# KiCad board 6502PC-6U.kicad_pcb (continued)
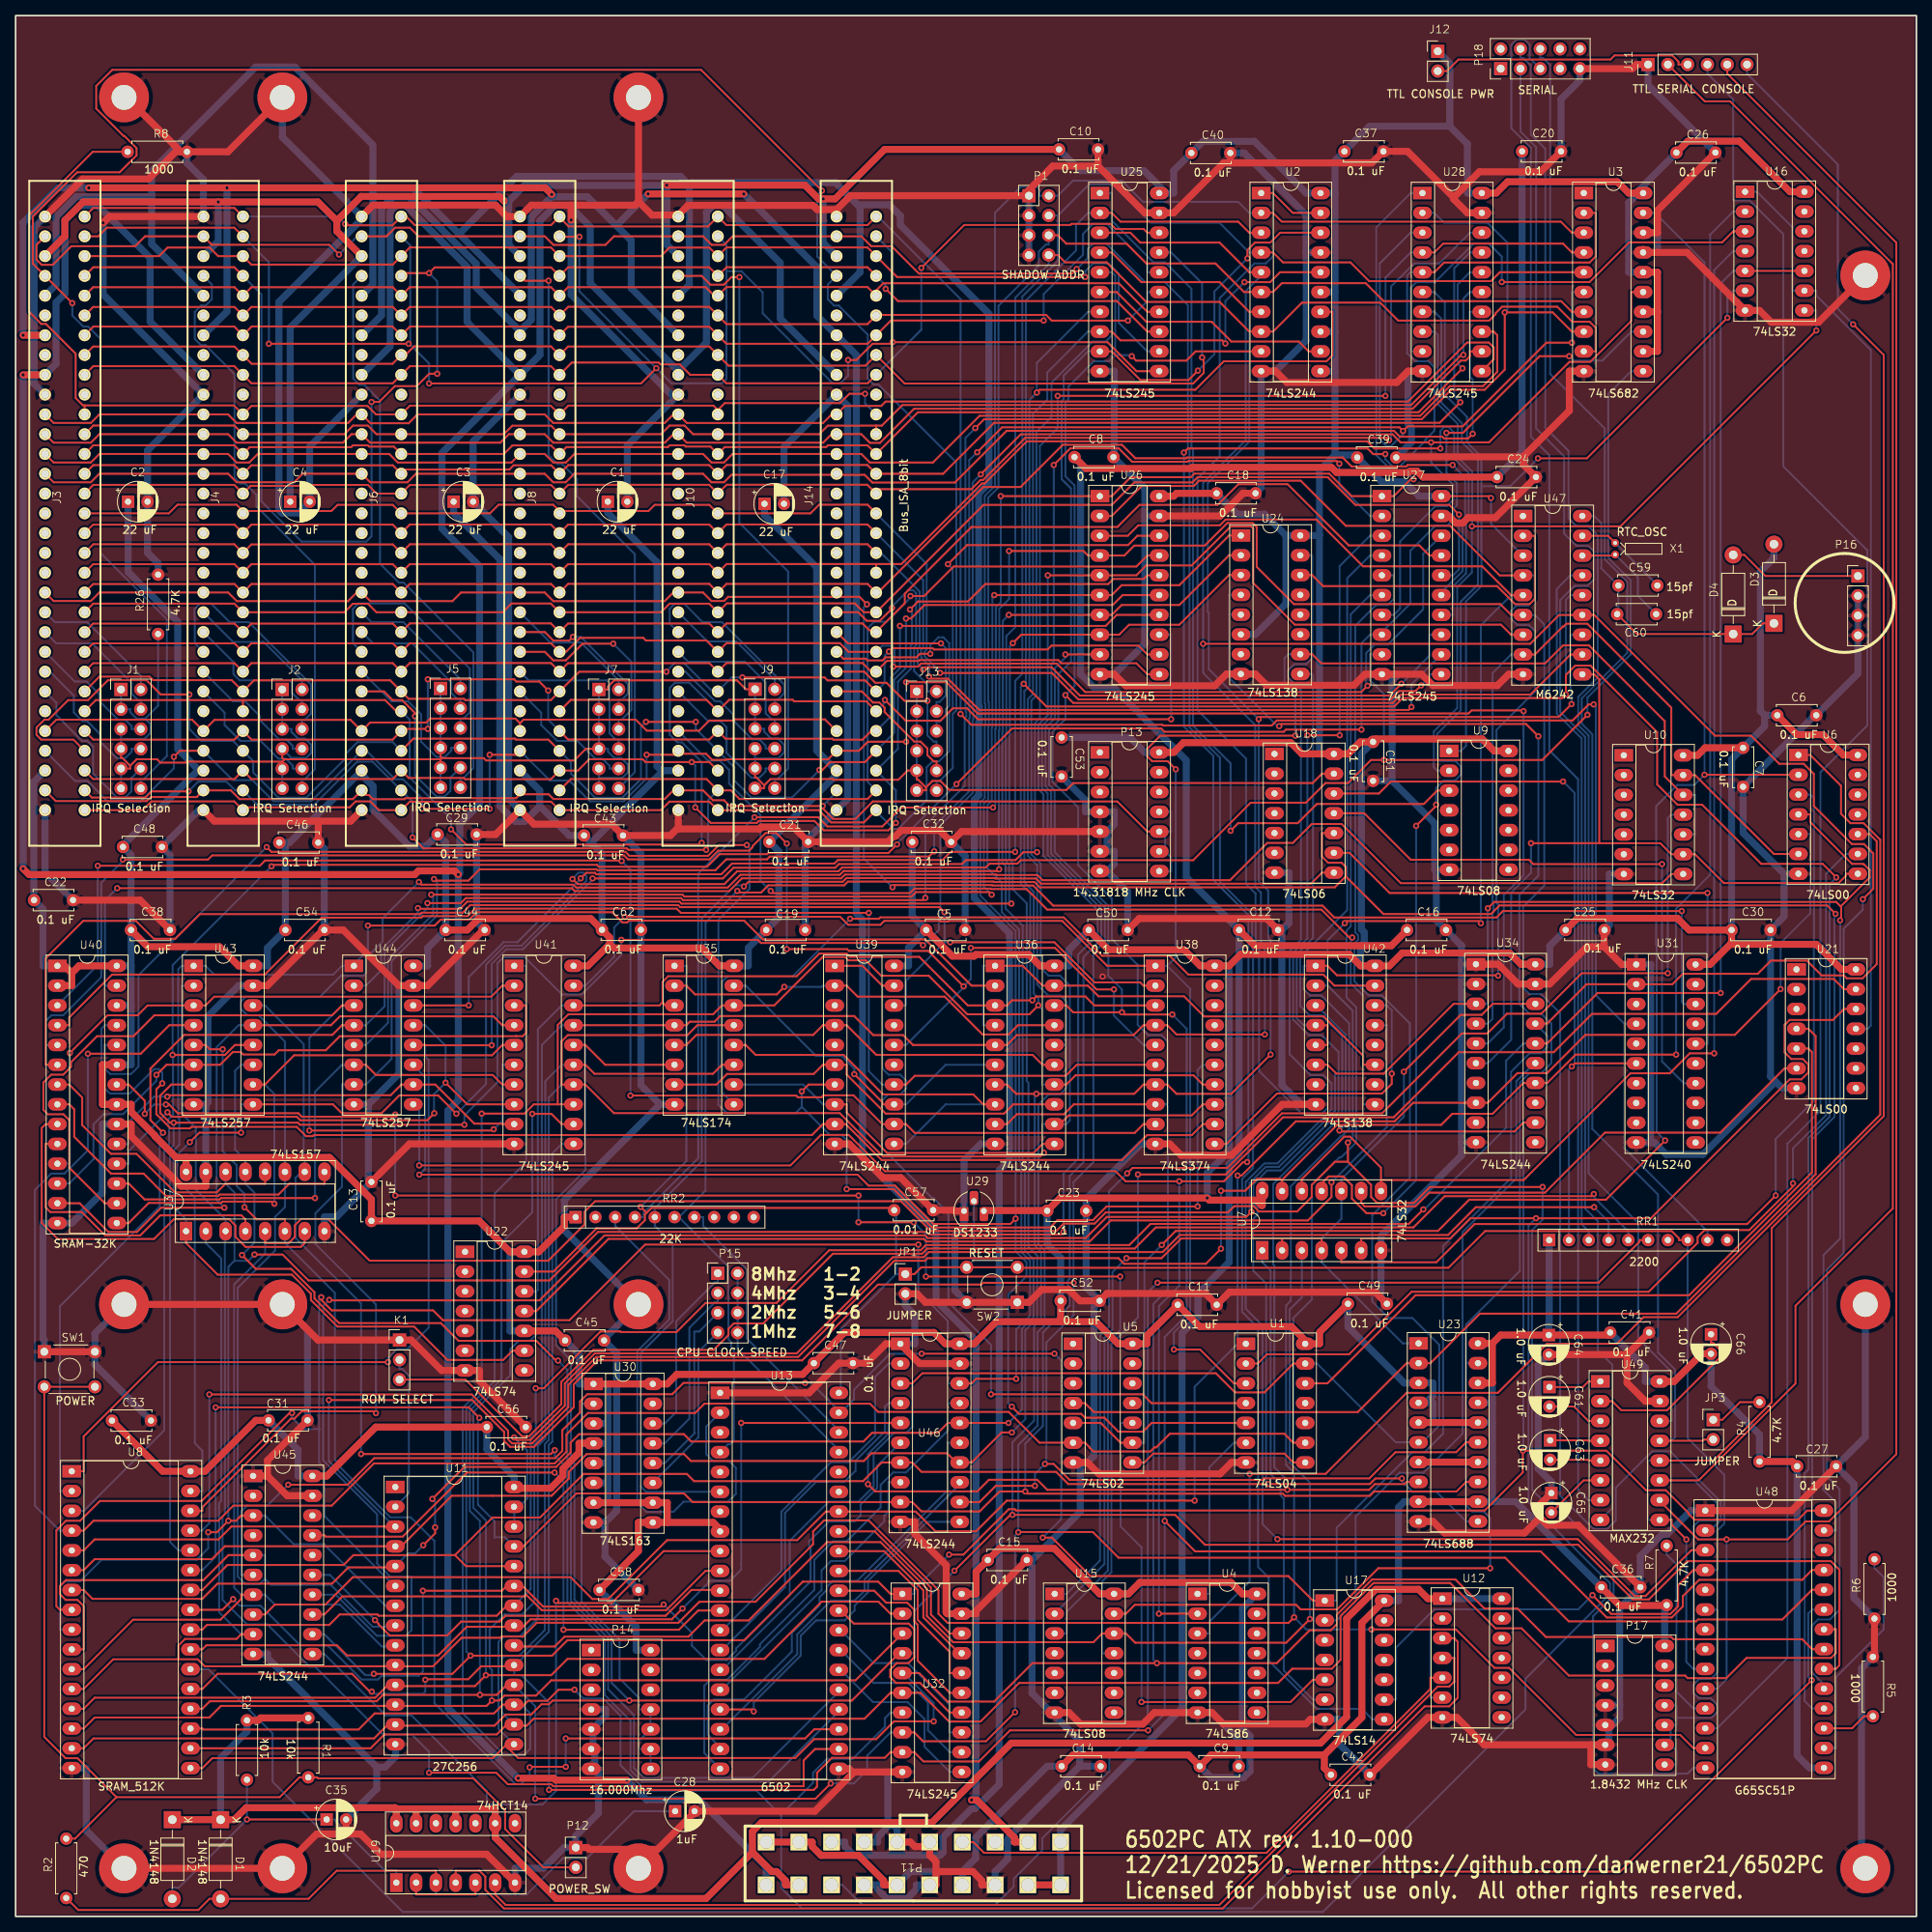
[diagram p0: board, top side]
## Routing (per net, layer and track width the routed paths; a pad name or vN(x,y) marks a point on that pad's centre or on a via; arc(x,y) is an arc through that point) (continued)
B_D2: length 155.2
  Top w0.25: J3.38 9.98,204.08 28.07,204.08 J4.38 30.31,204.09 48.38,204.09 J6.38 50.62,204.08 68.71,204.08 J8.38 70.91,204.05 89.06,204.05 J10.38 91.24,201.87 109.37,201.87 J14.38 112.35,204.85 v1(131.97,204.85)
  Bottom w0.25: U25.16 145.28,211.05 145.28,212.06 140.08,217.27 138.32,217.27 137.03,215.98 137.03,213.31 131.97,208.25 v1(131.97,204.85)
B_D3: length 145
  Top w0.25: J3.37 9.95,206.59 28.1,206.59 J4.37 30.27,206.59 48.42,206.59 J6.37 50.59,206.59 68.74,206.59 J8.37 70.94,206.62 89.03,206.62 J10.37 91.26,204.39 109.35,204.39 J14.37 110.54,205.58 132.27,205.58 133,204.85 v1(142.78,204.85)
  Bottom w0.25: v1(142.78,204.85) 145.28,207.34 145.28,208.51 U25.15
B_D4: length 145
  Top w0.25: U25.14 145.28,205.97 141.61,209.65 111.39,209.65 110.47,208.72 J14.36 109.35,209.16 91.26,209.16 J10.36 89.69,208.05 88.59,209.14 70.92,209.14 J8.36 68.74,209.14 50.59,209.14 J6.36 48.42,209.13 30.27,209.13 J4.36 28.1,209.13 9.95,209.13 J3.36
B_D5: length 211.5
  Top w0.25: J14.35 109.35,211.7 91.26,211.7 J10.35 89.04,211.69 70.93,211.69 J8.35 68.74,211.67 53.8,211.67 v1(53.07,210.94) 49.86,210.94 J6.35 ; v1(54.12,198.02) 53.1,198.02 51.51,196.43 48.69,196.43 46.66,194.41 v1(45.69,194.41) ; J3.35 9.98,211.7 28.07,211.7 J4.35 ; v1(111.69,208.92) 113.26,207.36 141.36,207.36 145.28,203.43 U25.13
  Bottom w0.25: J4.35 31.55,208.22 31.55,181.65 36.72,176.48 44.99,176.48 45.69,177.18 v1(45.69,194.41) ; v1(111.69,208.92) 111.69,209.36 J14.35 ; v1(54.12,198.02) 54.12,209.9 v1(53.07,210.94)
B_D6: length 153.1
  Top w0.25: v1(137.3,210.44) 113.15,210.44 J14.34 109.35,214.24 91.26,214.24 J10.34 89.05,214.23 83.94,214.23 82.84,213.13 J8.34 68.71,214.24 50.62,214.24 J6.34 48.42,212.04 30.27,212.04 J4.34 26,213.13 24.9,214.22 19.51,214.22 18.42,213.13 J3.34
  Bottom w0.25: U25.12 145.28,200.89 141.61,204.56 141.61,210.87 140.3,212.18 138.32,212.18 137.3,211.16 v1(137.3,210.44)
B_D7: length 239.7
  Top w0.25: v1(82.25,198.74) 80.28,196.78 v1(53.07,196.78) ; J8.33 69.88,215.61 v1(72.37,215.61) ; J4.33 28.07,216.78 11.72,216.78 10.61,215.67 J3.33 ; U25.11 143.89,198.35 140.16,202.08 v1(112.59,202.08) 112.38,201.87 110.01,201.87 107.92,199.79 v1(106.86,199.79) ; v1(50.45,201.88) v1(32.51,201.88)
  Bottom w0.25: J10.33 91.25,214.56 91.25,211.18 ; 50.51,201.92 53.07,199.35 v1(53.07,196.78) ; 50.51,201.92 50.5,201.92 v1(50.45,201.88) ; 50.51,201.92 50.67,202.09 50.67,214.5 J6.33 ; v1(106.86,199.79) 106.86,197.77 105.89,196.8 104.89,196.8 95.9,205.78 95.9,208.46 93.18,211.18 91.25,211.18 ; v1(72.37,215.61) 72.37,208.62 v1(82.25,198.74) 84.19,196.8 90.7,196.8 91.25,197.35 91.25,211.18 ; J14.33 112.59,213.54 v1(112.59,202.08) ; v1(32.51,201.88) 32.51,212.34 J4.33
B_INT: length 280.1
  Top w0.25: 116.85,144.92 116.85,144.55 115.68,144.55 ; 116.85,144.92 117.7,145.77 118.7,145.77 119.87,144.59 134.87,144.59 135.77,145.49 166.5,145.49 167.7,146.69 U18.13 ; 116.85,144.92 115.86,145.92 115.68,145.92 J13.9 114.5,147.09 113.32,145.91 105.03,145.91 104.93,146 96.91,146 96.1,145.19 ; J9.9 94.92,146.19 95.1,146.19 96.1,145.19 ; 54.55,148.54 J5.9 ; 54.55,148.54 54.7,148.69 ; 54.55,148.54 34.53,148.54 34.46,148.47 ; J9.1 93.75,157.53 92.6,158.68 76.86,158.68 76.05,157.87 76.05,157.5 J7.1 ; 34.46,148.47 34.23,148.7 J2.7 ; 34.46,148.47 34.23,148.23 ; J7.7 73.2,149.88 71.71,148.39 60.39,148.39 60.1,148.68 54.71,148.68 54.7,148.69 ; 34.23,148.23 21.96,148.23 21.83,148.11 18.6,148.11 18.16,148.55 15.55,148.55 14.71,147.71 ; 34.23,148.23 J2.9 ; 54.7,148.69 54.55,148.83 J5.7 ; 96.1,145.19 96.1,144.83 J9.11 ; J1.7 13.53,148.7 13.71,148.7 14.71,147.71 ; 14.71,147.71 14.71,147.34 J1.9
  Bottom w0.25: J7.1 J7.3 J7.5 J7.7 76.05,149.88 76.05,149.51 76.86,148.7 77.74,148.7 78.62,147.82 78.62,146.88 77.9,146.15 74.87,146.15 ; 13.53,151.15 J1.5 ; 13.53,151.15 J1.7 ; 13.53,151.15 16.53,151.15 17.31,151.93 17.31,153.05 16.62,153.75 ; J2.7 35.41,148.7 37.3,148.7 37.95,149.35 37.95,150.4 37.17,151.18 36.27,151.18 35.4,152.05 35.4,152.42 J2.5 J2.3 J2.1 ; J5.1 J5.3 J5.5 J5.7 ; 74.87,146.15 J7.11 ; 74.87,146.15 J7.9 ; J5.11 J5.9 ; J9.1 J9.3 J9.5 96.1,152.45 96.1,152.08 96.97,151.21 97.85,151.21 98.67,150.39 98.67,149.43 97.87,148.64 94.92,148.64 ; J13.1 J13.3 J13.7 J13.9 ; J2.11 J2.9 ; 16.62,153.75 15.56,153.75 14.71,154.59 14.71,154.96 J1.3 J1.1 ; 16.62,153.75 18.3,155.42 R26.1 ; 94.92,148.64 J9.7 ; 94.92,148.64 J9.9 ; J1.11 J1.9
B_IOR: length 209
  Top w0.25: J3.14 4.88,184.09 9.66,184.09 10.75,185.19 J4.14 27.28,185.19 28.37,184.1 35.75,184.1 36.84,185.19 J6.14 45.52,184.09 50.3,184.09 51.4,185.19 J8.14 67.92,185.19 69.01,184.09 70.62,184.09 71.71,185.19 J10.14 88.24,185.19 89.33,184.1 90.93,184.1 91.89,185.05 105.39,185.05 ; J14.14 105.39,185.05 ; 105.39,185.05 108.99,185.05 109.99,184.05 120.57,184.05 127.21,190.7 176.93,190.7 177.69,189.94 183.14,189.94 183.37,189.72 186.44,189.72 v1(187.04,190.31)
  Bottom w0.25: v1(187.04,190.31) 187.04,197.27 186.69,197.62 186.69,205.97 U28.14
B_IOW: length 203.1
  Top w0.25: J3.13 4.88,186.63 9.66,186.63 10.75,187.73 J4.13 27.28,187.73 28.38,186.63 29.98,186.63 31.08,187.73 J6.13 47.97,187.73 49.06,186.63 63.65,186.63 J8.13 67.93,187.73 69.03,186.63 70.63,186.63 71.73,187.73 J10.13 88.24,187.73 89.33,186.64 90.93,186.64 92.03,187.73 J14.13 108.56,187.73 109.66,186.63 117.75,186.63 123.75,192.63 180.3,192.63 184.1,196.43 188.36,196.43 190.19,198.26 190.19,202.98 189.74,203.43 U28.13
B_SMEMR: length 194.6
  Top w0.25: U28.12 186.69,200.89 186.69,200.26 186.15,199.72 185.51,199.72 179.33,193.53 115.34,193.53 110.96,189.15 109.68,189.15 108.56,190.27 J14.12 104.75,190.27 103.66,189.18 86.16,189.18 J10.12 84.43,190.27 83.34,189.17 69.01,189.17 67.92,190.27 J8.12 63.32,190.27 62.23,189.18 45.51,189.18 J6.12 43.12,190.27 42.03,189.18 28.37,189.18 27.28,190.27 J4.12 10.75,190.27 9.66,189.17 4.88,189.17 J3.12
B_SMEMW: length 198.3
  Top w0.25: U28.11 189.74,199.88 189.74,201.4 189.1,202.03 186.32,202.03 178.74,194.46 111.68,194.46 111.12,193.89 106.47,193.89 J14.11 104.75,192.81 103.65,191.7 86.17,191.7 J10.11 84.43,192.81 83.34,191.71 69.01,191.71 67.92,192.81 J8.11 51.59,192.81 50.46,191.67 45.56,191.67 J6.11 43.79,192.81 42.69,191.71 28.38,191.71 27.28,192.81 J4.11 10.75,192.81 9.66,191.71 4.88,191.71 J3.11
BUSALE: length 276.7
  Top w0.25: v1(114.31,158.43) 119.48,158.43 123.5,154.42 186.51,154.42 186.9,154.81 193.47,154.81 v1(193.57,154.71) ; J8.28 64.23,149.11 v1(60.85,149.11) ; v1(114.31,150.79) 109.41,150.79 108.24,149.63 J14.28 104.3,148.54 91.23,148.54 91.15,148.46 89.41,148.46 88.62,149.25 85.07,149.25 ; 85.07,149.25 84.94,149.12 v1(81,149.12) ; 85.07,149.25 J10.28 ; v1(20.32,148.85) 21.1,149.63 J4.28 ; v1(52.18,142.17) v1(60.85,142.17)
  Bottom w0.25: v1(52.18,142.17) 52.18,143.51 49.71,145.98 48.71,145.98 45.06,149.63 J6.28 37.96,143.16 33.1,143.16 30.4,145.86 27.87,145.86 J4.28 ; v1(60.85,149.11) v1(60.85,142.17) ; v1(81,149.12) 81,146.09 78.05,143.14 73.74,143.14 71.06,145.82 68.56,145.82 J8.28 ; v1(20.32,148.85) 20.32,147.38 16.06,143.12 11.84,143.12 9.21,145.75 7.66,145.75 J3.28 ; v1(114.31,158.43) v1(114.31,150.79) ; U34.5 188.98,112.06 191.03,114.12 191.03,131.1 193.57,133.64 v1(193.57,154.71)
BUSCLK: length 167.4
  Top w0.25: 44.43,143.95 43.83,143.95 43.3,143.42 28.75,143.42 27.63,144.55 J4.30 23.25,143.69 17.36,143.69 16.85,143.17 5.16,143.17 J3.30 ; 44.43,143.95 J6.30 ; 44.43,143.95 45.34,143.95 45.88,143.41 49.91,143.41 50.04,143.54 64.24,143.54 64.75,144.04 ; 64.75,144.04 J8.30 ; 64.75,144.04 68.42,144.04 69.03,143.44 83.32,143.44 84.43,144.55 J10.30 88.24,144.55 89.51,143.28 90.94,143.28 91.68,142.54 v1(103.59,142.54) 103.59,142.25 104.96,140.88 107.8,140.88 110.04,143.12 141.42,143.12 145.28,139.26 P13.10
  Bottom w0.25: 147.57,139.26 147.57,136.72 ; 147.57,139.26 148.33,139.26 148.33,141.8 P13.11 ; 147.57,139.26 P13.10 ; 147.57,136.72 P13.9 ; 147.57,136.72 148.33,135.96 148.33,134.18 P13.8 ; v1(103.59,142.54) 105.39,144.33 J14.30
CLK: length 28.5
  Bottom w0.25: P15.2 P15.4 P15.6 P15.8 92.68,72.83 105.93,59.59
CPU_/RD: length 106.1
  Top w0.25: U47.8 195.02,161.98 198.62,165.59 198.72,165.59 199.06,165.94 201.76,165.94 212.53,155.16 212.53,146.51 U10.13 215.58,146.51 225.71,136.38 U6.6
  Bottom w0.25: U47.8 191.97,161.98 189.59,159.6 189.59,129.97 189.73,129.83 189.73,128.97 189.58,128.82 189.58,115.21 188.98,114.6 U34.4
CPU_/WR: length 100.2
  Top w0.25: 203.29,137.76 203.29,158.79 202.64,159.44 U47.10 ; 203.29,137.76 211.12,137.76 212.53,136.35 U10.9 215.58,136.35 219.28,132.65 234.01,132.65 234.95,133.59 234.95,133.84 U6.8 ; 203.29,137.76 v1(194.53,137.76)
  Bottom w0.25: v1(194.53,137.76) 194.53,133.96 191.98,131.41 191.98,112.52 188.98,109.52 U34.6
CPU_D0: length 23
  Top w0.25: U32.18 119.92,36.32 117.5,38.75 117.5,42.21 110.28,49.43 105.93,49.43
CPU_D1: length 23
  Top w0.25: U32.17 121.13,33.78 116.53,38.38 116.53,41.86 111.5,46.89 105.93,46.89
CPU_D2: length 24.8
  Top w0.25: U32.16 119.92,31.24 119.92,33.95 115.8,38.07 115.8,41.89 113.34,44.35 105.93,44.35
CPU_D3: length 24.5
  Top w0.25: U32.15 119.92,28.7 115.8,32.82 115.8,37.44 115.35,37.89 115.35,39.38 114.45,40.28 111.75,40.28 110.22,41.81 105.93,41.81
CPU_D4: length 29.8
  Top w0.25: 105.93,39.27 107.6,37.59 114.64,37.59 115.35,36.88 115.35,33.26 114.61,32.51 113.1,32.51 112.27,31.68 112.27,30.72 113.02,29.97 116.11,29.97 119.92,26.16 U32.14
CPU_D5: length 23
  Bottom w0.25: 105.93,36.73 110.14,32.51 114.55,32.51 119.92,27.14 119.92,23.62 U32.13
CPU_D6: length 23
  Bottom w0.25: U32.12 119.92,21.08 117.12,23.88 117.12,27.44 114.59,29.97 110.14,29.97 105.93,34.19
CPU_D7: length 23
  Bottom w0.25: U32.11 119.92,18.54 116.67,21.79 116.67,25.34 114.5,27.51 110.06,27.51 105.93,31.65
CPU_E: length 349.9
  Top w0.25: U34.17 196.6,114.6 201.66,119.66 212.67,119.66 214.01,121 223.63,121 225.32,122.69 229.94,122.69 231.84,120.79 234.69,120.79 235.06,120.42 237.08,120.42 238.91,122.25 238.91,138.02 238,138.92 U6.10 ; v1(34.98,55.42) 42.62,55.42 46.03,58.82 69.25,58.82 70.18,59.75 70.18,62.41 72.45,64.69 72.45,66.1 73.38,67.03 84.29,67.03 85.74,68.48 v1(101.35,68.48) ; v1(116.3,72.24) 133.34,72.24 v1(133.35,72.24) ; U17.1 166.53,40.54 163.38,43.69 137.96,43.69 133.03,48.62 v1(131.85,48.62)
  Bottom w0.25: v1(34.98,55.42) 32.3,52.73 29.7,52.73 28.96,51.99 28.96,43.84 U45.6 ; U17.1 169.58,40.54 169.58,49.89 179.28,59.59 180.86,59.59 183.25,61.97 183.25,86.06 191.97,94.78 191.97,108.42 194.35,110.79 195.8,110.79 196.62,111.62 196.62,113.06 U34.17 ; v1(101.35,68.48) 102.12,68.48 105.93,64.67 107.62,66.37 107.62,67.6 112.26,72.24 v1(116.3,72.24) ; v1(133.35,72.24) 134.22,71.37 134.22,50.99 v1(131.85,48.62)
CPU_R/W: length 278.8
  Top w0.25: v1(226.56,119.03) 220.69,113.16 201.51,113.16 196.6,108.25 192.79,108.25 188.98,104.44 U34.8 179.41,104.44 177.02,102.06 164.33,102.06 157.38,95.1 v1(156.87,95.1) ; U45.8 32.01,38.76 33.28,40.03 39.77,40.03 43.29,43.55 71.24,43.55 74.05,40.74 76.07,40.74 83.64,48.3 100.34,48.3 104,51.97 U13.34 ; 105.93,51.97 115.55,51.97 118.07,49.45 123.3,49.45 127.23,53.37 v1(151.35,53.37)
  Bottom w0.25: U6.5 230.38,138.92 230.38,128.76 226.56,124.95 v1(226.56,119.03) ; U1.1 156.87,73.51 ; v1(151.35,53.37) 151.35,67.99 156.87,73.51 ; 156.87,73.51 v1(156.87,95.1)
CTS: length 199.5
  Top w0.25: JP3.2 216.74,61.21 216.58,61.06 U49.13
  Bottom w0.25: U49.13 212.57,61.06 213.02,61.51 213.02,70.19 210.83,72.38 210.83,92.66 202.39,101.09 202.39,151.75 201.04,153.11 201.04,156.36 206.88,162.19 206.88,171.33 203.99,174.22 203.99,190.99 196.98,197.99 196.98,237.65 196.08,238.55 195.71,238.55 195.71,239.73
CTS_TTL: length 236.4
  Top w0.25: U49.9 212.57,50.9 212.57,50.28 v1(214.47,48.39) ; v1(235.88,204.37) 239.81,200.44 239.81,102.73 225.42,88.35 225.42,65.99 217.95,58.52 U49.12
  Bottom w0.25: U48.9 215.37,31.77 214.47,32.67 v1(214.47,48.39) ; U49.9 209.52,50.9 209.52,58.52 U49.12 ; v1(235.88,204.37) 233.91,206.33 233.91,224.89 222.26,236.54 J11.6
DCD: length 28.8
  Bottom w0.25: R6.2 238.62,44.72 239.79,43.55 239.79,36.83 233.66,30.7 233.66,21.61 U48.16
DSR: length 6.9
  Top w0.25: U48.17 235.74,24.15 237.29,25.7 R5.2
DTR: length 23.8
  Bottom w0.25: R7.2 211.94,46.45 213.2,45.18 213.2,28.85 215.37,26.69 U48.11
E: length 400.5
  Top w0.25: U34.3 184.59,117.14 175.62,108.18 169.55,108.18 168.41,109.32 U42.6 ; 234.28,129.65 233.7,130.23 189.81,130.23 v1(188.98,129.4) ; 234.28,129.65 234.34,129.59 234.34,128 v1(234.21,127.86) ; 234.28,129.65 238,133.37 238,134.31 237.28,135.03 237.24,135.03 237.16,135.11 235.74,135.11 230.38,140.47 230.38,141.46 U6.4 ; v1(40.26,79.14) 40.32,79.08 67.25,79.08 75.59,87.42 116.76,87.42 117.09,87.08 137.37,87.08 140.08,89.79 157.98,89.79 v1(158.63,90.45)
  Bottom w0.25: U48.27 233.66,49.55 233.66,53.17 232.06,54.76 232.06,84.87 234.21,87.01 v1(234.21,127.86) ; v1(40.26,79.14) 39.49,78.36 39.49,58.54 46.4,51.62 46.4,45.31 48.12,43.59 50.81,43.59 50.81,36.73 50.11,36.03 46.36,36.03 41.09,41.3 U45.14 ; U34.3 188.98,117.14 v1(188.98,129.4) ; U42.6 168.41,109.32 169.37,108.36 169.37,103.42 162.15,96.21 160.48,96.21 158.41,94.14 158.41,90.67 v1(158.63,90.45)
IOR: length 111.4
  Top w0.25: v1(195.41,187.17) 201.69,187.17 v1(219.74,205.21)
  Bottom w0.25: U28.6 182.12,208.51 183.47,207.16 183.47,195.32 186.32,192.48 186.32,189.21 188.16,187.36 188.16,183.59 ; U9.1 185.54,149.61 186.18,150.24 186.18,168.8 188.16,170.78 188.16,183.59 ; v1(195.41,187.17) 191.84,183.59 188.16,183.59 ; v1(219.74,205.21) 219.74,207.94 220.48,208.69 U16.6
IOW: length 141.4
  Top w0.25: v1(182.35,142.71) 182.35,142.56 v1(179.78,139.99) ; v1(175.56,90.27) 173.41,90.27 171.53,92.15 171.53,93.87 170.41,94.99 168.54,94.99 167.65,94.09 U7.11
  Bottom w0.25: v1(182.35,142.71) 182.35,144.85 183.29,145.8 184.77,145.8 185.54,146.57 185.54,147.59 184.8,148.34 182.78,148.34 182.49,148.62 182.49,151.82 185.5,154.83 185.5,168.76 187.71,170.97 187.71,187.18 185.64,189.25 185.64,191.69 183.02,194.32 183.02,205.07 182.12,205.97 U28.7 ; v1(175.56,90.27) 179.78,94.49 v1(179.78,139.99)
isa_iq_1: length 75.5
  Bottom w0.25: J4.4 25.19,209.5 25.19,207.58 24.39,206.78 23.82,206.78 23.01,205.97 23.01,202.47 23.78,201.7 24.38,201.7 28.1,197.98 28.1,184.69 28.87,183.92 29.47,183.92 30.92,182.47 30.92,181 38.42,173.49 38.42,147.26 37.14,145.98 36.77,145.98 J2.12
isa_iq_2: length 74.1
  Bottom w0.25: J6.4 43.33,209.49 43.33,197.41 44.13,196.62 44.74,196.62 46.78,194.58 46.78,173.63 49.2,171.22 49.81,171.22 58.77,162.25 58.77,147.41 57.46,146.1 57.09,146.1 J5.12
isa_iq_3: length 74.9
  Top w0.25: v1(68.41,209.97) 65.37,209.97 J8.4
  Bottom w0.25: J7.12 79.49,146.88 79.49,174.88 72.06,182.31 72.06,184.51 70.12,186.46 69.51,186.46 68.41,187.56 v1(68.41,209.97)
isa_iq_4: length 77.8
  Top w0.25: J10.4 88.06,210.59 89.19,209.45 90.92,209.45 91.89,210.43 v1(92.91,210.43)
  Bottom w0.25: v1(92.91,210.43) 92.91,178.88 99.17,172.62 99.17,147.34 97.83,146 97.46,146 J9.12
isa_iq_5: length 298.2
  Top w0.25: v1(103.51,221.52) 87.99,237.04 12.42,237.04 10.35,234.97 10.35,232.07 13.87,228.55 13.97,228.55 15.53,226.99 15.53,226.05 13.37,223.88 7.91,223.88 2.21,218.19 2.21,212.16 J3.4 v1(7.28,207.09)
  Bottom w0.25: J1.12 16.07,145.98 16.44,145.98 19.43,148.96 19.43,166.5 10.89,175.03 10.89,202.5 9.32,204.08 8.7,204.08 7.28,205.49 v1(7.28,207.09) ; 118.22,144.55 118.22,145.73 118.59,145.73 120.3,147.44 120.3,154.37 120.75,154.82 120.75,186.64 110.75,196.65 110.13,196.65 109.38,197.4 109.38,203.06 105.66,206.78 105.06,206.78 104.27,207.56 104.27,209.47 J14.4 102.9,213.08 102.9,220.91 v1(103.51,221.52)
LA0: length 89.6
  Top w0.25: 90.69,46.89 83.18,46.89 76.52,40.23 69.66,40.23 v1(69.38,40.51)
  Bottom w0.25: U45.11 39.63,33.68 47.51,25.81 50.81,25.81 60.48,16.13 60.48,14.38 67.63,14.38 69.38,16.12 v1(69.38,40.51)
LA1: length 56.5
  Top w0.25: 90.69,44.35 88.55,44.35 83.52,39.31 67.54,39.31 65.97,40.89 65.95,40.89 65.54,41.3 65.32,41.08 41.95,41.08 39.63,38.76 U45.13
LA2: length 58.3
  Top w0.25: v1(46.13,38.04) 46.59,37.59 46.59,37.5 48.03,36.06 55.41,36.06 57.2,37.85 62.14,37.85 62.89,38.59 83.44,38.59 86.75,41.91 90.58,41.91 90.69,41.81
  Bottom w0.25: U45.15 40.33,43.84 v1(46.13,38.04)
LA3: length 76.6
  Top w0.25: v1(69.19,56.97) 57.91,56.97 49.69,48.75 39.8,48.75 39.63,48.92 U45.17 ; 90.69,39.27 87.61,39.27 85.14,36.79 v1(70.33,36.79)
  Bottom w0.25: v1(70.33,36.79) 70.33,55.84 v1(69.19,56.97)
LA4: length 46
  Bottom w0.25: U46.2 112.05,70.97 110.33,69.25 110.33,61.71 106.94,58.32 104.66,58.32 98.31,51.97 98.31,44.35 90.69,36.73
LA5: length 44.2
  Bottom w0.25: 90.69,34.19 98.76,42.27 98.76,51.79 102.75,55.78 106.39,55.78 107.83,57.21 107.83,58.5 111.6,62.27 111.6,65.44 112.05,65.89 U46.4
LA6: length 41
  Bottom w0.25: U13.15 90.69,31.65 102.06,43.02 102.06,47.22 101.86,47.42 101.86,48.16 104.4,50.7 107.7,50.7 108.47,51.46 108.47,52.87 110.59,55 110.59,57.83 U46.6
LA7: length 38
  Bottom w0.25: U46.8 112.05,55.73 112.05,51.97 111.54,51.46 111.51,51.46 111.51,50.7 106.43,45.62 104.66,45.62 103.47,44.43 103.47,41.89 90.69,29.11
LA8: length 44.3
  Top w0.25: U13.17 94.5,26.57 v1(94.75,26.31)
  Bottom w0.25: U46.11 117,50.65 109.42,43.07 109.42,41.62 107.7,39.9 107.7,39.27 106.43,38 102.75,38 100.78,36.03 100.78,33.49 94.75,27.45 v1(94.75,26.31)
LA9: length 46.1
  Bottom w0.25: 90.69,24.03 100.33,33.68 100.33,36.22 104.66,40.54 107.7,40.54 108.97,41.81 108.97,43.26 121.19,55.47 U46.13
LA10: length 58.5
  Bottom w0.25: 90.69,21.49 88.85,23.32 88.85,27.08 89.61,27.84 93.48,27.84 99.65,34.01 99.65,36.4 103.2,39.96 103.2,40.99 104.15,41.93 104.15,42.32 104.91,43.08 108.05,43.08 119.67,54.7 119.67,60.81 U46.15
LA11: length 65.5
  Bottom w0.25: U46.17 119.67,65.89 119.67,62.36 114.31,57 112.65,57 111.04,55.39 111.04,52.51 106.69,48.16 104.91,48.16 102.53,45.78 102.53,41.9 95.55,34.92 95.55,34.61 91.32,30.38 89.16,30.38 88.4,29.62 88.4,20.98 U13.20
LA12: length 177.7
  Top w0.25: v1(53.07,18.45) 61.7,18.45 63.18,16.97 68.77,16.97 69.02,16.72 101.15,16.72 101.15,20.02 102.62,21.49 U13.22
  Bottom w0.25: U43.2 21.33,119.48 21.33,103.05 23.15,101.23 23.15,93.3 26.96,89.49 26.96,88.34 ; 26.96,88.34 26.87,88.25 26.87,51.64 26.58,51.34 26.58,40.62 29.7,37.49 32.3,37.49 37.74,32.05 38.47,32.05 47.18,23.34 50.88,23.34 53.07,21.15 v1(53.07,18.45) ; 26.96,88.34 U37.3
LA13: length 165.1
  Top w0.25: U43.5 24.38,111.86 24.92,111.31 v1(26.58,111.31) ; U37.6 34.58,89.49 30.93,89.49 v1(29.38,91.04) ; v1(65.98,19.13) 66.05,19.2 v1(70.62,19.2) 70.87,19.2 ; v1(70.62,22.85) 101.35,22.85 102.54,24.03 U13.23
  Bottom w0.25: 66.05,19.2 v1(65.98,19.13) 65.98,18.08 64.86,16.96 64.18,16.96 53.76,27.38 53.76,48.19 50.73,51.23 48.1,51.23 41.34,57.99 41.34,58.25 40.99,58.6 40.99,80.02 34.58,86.44 U37.6 ; v1(26.58,111.31) 26.58,98.24 28.37,96.45 28.37,93.77 29.38,92.76 v1(29.38,91.04) ; v1(70.62,22.85) v1(70.62,19.2)
LA14: length 167.2
  Top w0.25: v1(44.35,59.36) 68.72,59.36 v1(69.21,59.85)
  Bottom w0.25: 37.12,96.01 35.94,94.83 35.94,87.09 44.35,78.68 v1(44.35,59.36) ; 37.12,96.01 37.12,97.11 36.98,97.24 36.98,111.95 32,116.94 U43.14 ; 37.12,96.01 U37.10 ; v1(69.21,59.85) 69.21,59.16 70.83,57.53 70.83,40.31 75.61,35.53 75.61,28.44 78.93,25.12 78.93,18.8 80.43,17.3 96.65,17.3 105.93,26.57
LA15: length 162.7
  Top w0.25: v1(69.63,71.35) 69.38,71.35 66.84,73.89 56.86,73.89 54.58,76.16 41.52,76.16 38.36,79.33 38.36,80.12 35.36,83.12 30.84,83.12 v1(29.07,84.9)
  Bottom w0.25: U43.11 28.95,109.32 28.17,108.55 28.17,98.43 29.5,97.11 U37.13 29.5,94.06 30.66,92.89 30.66,86.49 v1(29.07,84.9) ; v1(69.63,71.35) 70.83,70.14 70.83,58.39 71.28,57.94 71.28,40.5 76.06,35.72 76.06,29.14 79.38,25.82 79.38,19.05 80.64,17.79 94.6,17.79 105.93,29.11
mA0: length 538.9
  Top w0.25: 20.91,33.01 12.54,33.01 8.73,29.2 U8.12 ; 20.91,33.01 20.91,34.78 21.75,35.62 28.37,35.62 28.96,36.22 U45.9 ; 20.91,33.01 23.38,33.01 24.28,32.11 53.59,32.11 57.25,35.77 62.24,35.77 62.4,35.93 65.07,35.93 65.1,35.9 66.9,37.69 85.08,37.69 87.78,40.39 94.99,40.39 102.37,47.78 102.37,49.43 103.78,50.84 109.5,50.84 118.47,41.88 118.47,38.85 119.63,37.68 163.4,37.68 v1(164.11,38.39) ; v1(190.31,120.75) 190.25,120.81 169.62,120.81 168.41,122.02 U42.1 ; v1(174.05,36.84) 184.9,36.84 189.83,31.9 191.72,31.9 200.32,23.3 213.68,23.3 215.37,21.61 U48.13 ; U26.2 140.71,179.77 144.56,183.62 151.24,183.62 151.91,184.3 164.96,184.3 170.76,178.5 184.14,178.5 190.5,172.14 U47.4
  Bottom w0.25: U37.2 24.42,86.44 26.4,84.45 26.4,53.35 26.13,53.07 26.13,39.06 28.96,36.22 U45.9 ; v1(174.05,36.84) 165.67,36.84 v1(164.11,38.39) 164.11,56.94 163.1,57.96 163.1,78.43 163.69,79.02 163.69,93.72 170.13,100.16 170.24,100.16 171.19,101.12 171.19,114.62 167.6,118.21 166.16,118.21 165.36,119.01 165.36,122.02 U42.1 ; v1(190.31,120.75) 190.31,129.89 190.09,130.11 190.09,152.28 195.02,157.21 195.02,165 194.22,165.79 192.74,165.79 191.97,166.56 191.97,167.58 192.65,168.26 194.15,168.26 195.02,169.12 195.02,172.14 U47.4
mA1: length 536.6
  Top w0.25: U47.5 191.97,169.6 188.26,173.31 172.96,173.31 166.96,179.31 155.33,179.31 154.58,178.57 144.11,178.57 142.78,177.23 U26.3 ; U37.5 32.04,86.44 35.05,86.44 35.85,87.23 35.85,88.72 36.65,89.52 40.11,89.52 45.45,84.17 68.38,84.17 73.01,88.81 73.01,90.43 74.39,91.81 113.64,91.81 117.46,87.98 133.58,87.98 134.53,88.94 138.51,88.94 139.93,90.36 155.63,90.36 156.44,91.17 158.93,91.17 159.62,90.48 164.5,90.48 166.38,92.36 166.38,93.9 169.35,96.87 171.03,96.87 ; U8.11 8.73,31.74 15.08,38.09 26.3,38.09 28.96,40.75 28.96,41.3 U45.7 ; v1(196.02,93.63) 181.54,93.63 179.5,91.59 174.77,91.59 174,92.36 174,93.9 171.03,96.87 ; 171.03,96.87 v1(171.03,99.33) ; v1(188.09,127.49) 187.81,127.77 170.89,127.77 v1(170.61,127.5)
  Bottom w0.25: v1(171.03,99.33) 171.64,99.95 171.64,116.25 168.41,119.48 ; U47.5 191.97,169.6 188.09,165.72 v1(188.09,127.49) ; U48.14 215.37,19.07 214.63,18.33 203.19,18.33 202.49,19.03 202.49,38.53 205.13,41.17 205.13,45.46 197.38,53.22 196.2,53.22 194.65,54.77 194.65,88.08 196.02,89.45 v1(196.02,93.63) ; 168.41,119.48 168.41,125.29 v1(170.61,127.5) ; 168.41,119.48 U42.2 ; 48.78,34.65 47.01,34.65 41.63,40.03 33.28,40.03 32.01,41.3 U45.7 28.96,41.3 28.06,42.2 28.06,81.13 32.04,85.1 U37.5
mA2: length 529.4
  Top w0.25: v1(127.53,175.27) 137.08,175.27 137.66,174.69 U26.4 142.33,174.69 143.6,175.96 152.64,175.96 155.54,178.86 158.8,178.86 159.32,178.34 159.32,173.23 164.09,168.45 190.58,168.45 191.97,167.06 U47.6 ; U8.10 8.73,34.28 8.73,39.84 7.95,40.63 6.43,40.63 5.68,41.37 5.68,42.4 6.46,43.17 24.11,43.17 27.32,46.38 U45.5 ; v1(51.76,132.78) 52.11,132.44 71.6,132.44 71.97,132.06 91.41,132.06 93.05,133.71 105.8,133.71 106.28,134.19 126.03,134.19 v1(126.25,134.41)
  Bottom w0.25: U11.8 48.58,37.19 45.84,37.19 ; 45.84,37.19 40.46,42.57 32.77,42.57 32.01,43.33 ; 45.84,37.19 48.78,37.19 ; U45.5 31.9,46.38 32.01,46.27 32.01,43.33 ; 32.01,43.33 31.32,42.64 29.5,42.64 28.51,43.63 28.51,80.69 33.31,85.48 33.31,89.79 34.58,91.06 U37.11 34.58,112.3 31.2,115.67 29.75,115.67 28.9,116.53 28.9,117.42 29.55,118.07 39.08,118.07 41.76,120.75 44.67,120.75 44.95,121.03 44.95,122.99 47.12,125.16 47.12,128.14 v1(51.76,132.78) ; v1(126.25,134.41) 126.21,134.45 126.21,152.21 126.28,152.29 126.28,167.87 127.53,169.11 v1(127.53,175.27) ; U47.6 195.02,167.06 196.23,165.85 196.23,132.31 193.52,129.61 193.52,119.2 194.31,118.41 195.8,118.41 198.26,115.95 198.26,54.01 202.51,49.76 204.35,49.76 205.4,50.82 205.4,55.04 210.07,59.7 212.38,59.7 218.88,53.21 218.88,50.89 217.54,49.55 U48.2
mA3: length 379.8
  Top w0.25: v1(24.72,49.32) 25.85,49.32 v1(27.32,50.79) 28.29,50.79 28.96,51.46 U45.3 ; v1(30.66,84.96) 34.28,84.96 37.6,81.64 68.54,81.64 74.77,87.87 116.94,87.87 117.28,87.53 134.17,87.53 v1(134.51,87.87) ; U47.7 191.97,164.52 190.67,165.82 164.2,165.82 158.87,171.15 158.87,178.16 158.61,178.41 155.97,178.41 150.98,173.42 145.14,173.42 143.87,172.15 U26.5 v1(132.5,172.15)
  Bottom w0.25: 28.1,84.16 29.86,84.16 v1(30.66,84.96) ; 28.1,84.16 27.32,83.37 v1(27.32,50.79) ; 28.1,84.16 28.1,92.91 26.96,94.06 U37.14 ; U8.9 5.68,36.82 5.68,42.38 6.34,43.03 8.28,43.03 11.04,45.78 23.25,45.78 24.72,47.26 v1(24.72,49.32) ; v1(132.5,172.15) 132.5,154.2 131.31,153.01 131.31,144.69 131.94,144.06 131.94,136.14 138.92,129.16 138.92,125.98 136.4,123.46 136.4,97.24 134.51,95.35 v1(134.51,87.87) ; 48.78,39.73 47.65,39.73 39.61,47.77 35.7,47.77 32.01,51.46 U45.3
mA4: length 343.8
  Top w0.25: v1(39.24,79.48) 39.24,79.14 40.58,77.8 53.59,77.8 54.85,76.53 71.11,76.53 80.82,86.24 v1(115.88,86.24) ; v1(128.44,69) 123.29,69 122.72,68.43 U46.18 ; U8.8 5.68,39.36 5.23,39.81 5.23,49.56 6.47,50.79 8.28,50.79 10.82,53.33 23.88,53.33 35.17,64.62 v1(35.49,64.62) ; U24.1 155.76,177.26 149.38,170.88 141.98,170.88 140.71,169.61 U26.6 v1(125.63,169.61)
  Bottom w0.25: 38.97,62.55 36.95,62.55 35.49,64.02 v1(35.49,64.62) ; 38.97,62.55 38.97,58.26 39.66,57.58 39.66,51.38 48.78,42.27 ; 38.97,62.55 38.97,79.22 v1(39.24,79.48) ; v1(125.63,169.61) 125.38,169.37 125.38,152.66 125.31,152.58 125.31,143.21 124.74,142.65 124.74,134.57 126.6,132.71 126.6,128.91 128.82,126.69 128.82,96.95 129.09,96.68 129.09,85.29 130.21,84.17 130.21,77.12 128.44,75.34 v1(128.44,69) ; U46.18 119.67,68.43 119.67,76.44 115.88,80.23 v1(115.88,86.24)
